# Altium PCB Grandmaster.PcbDoc (part 1 of 3) (continued)
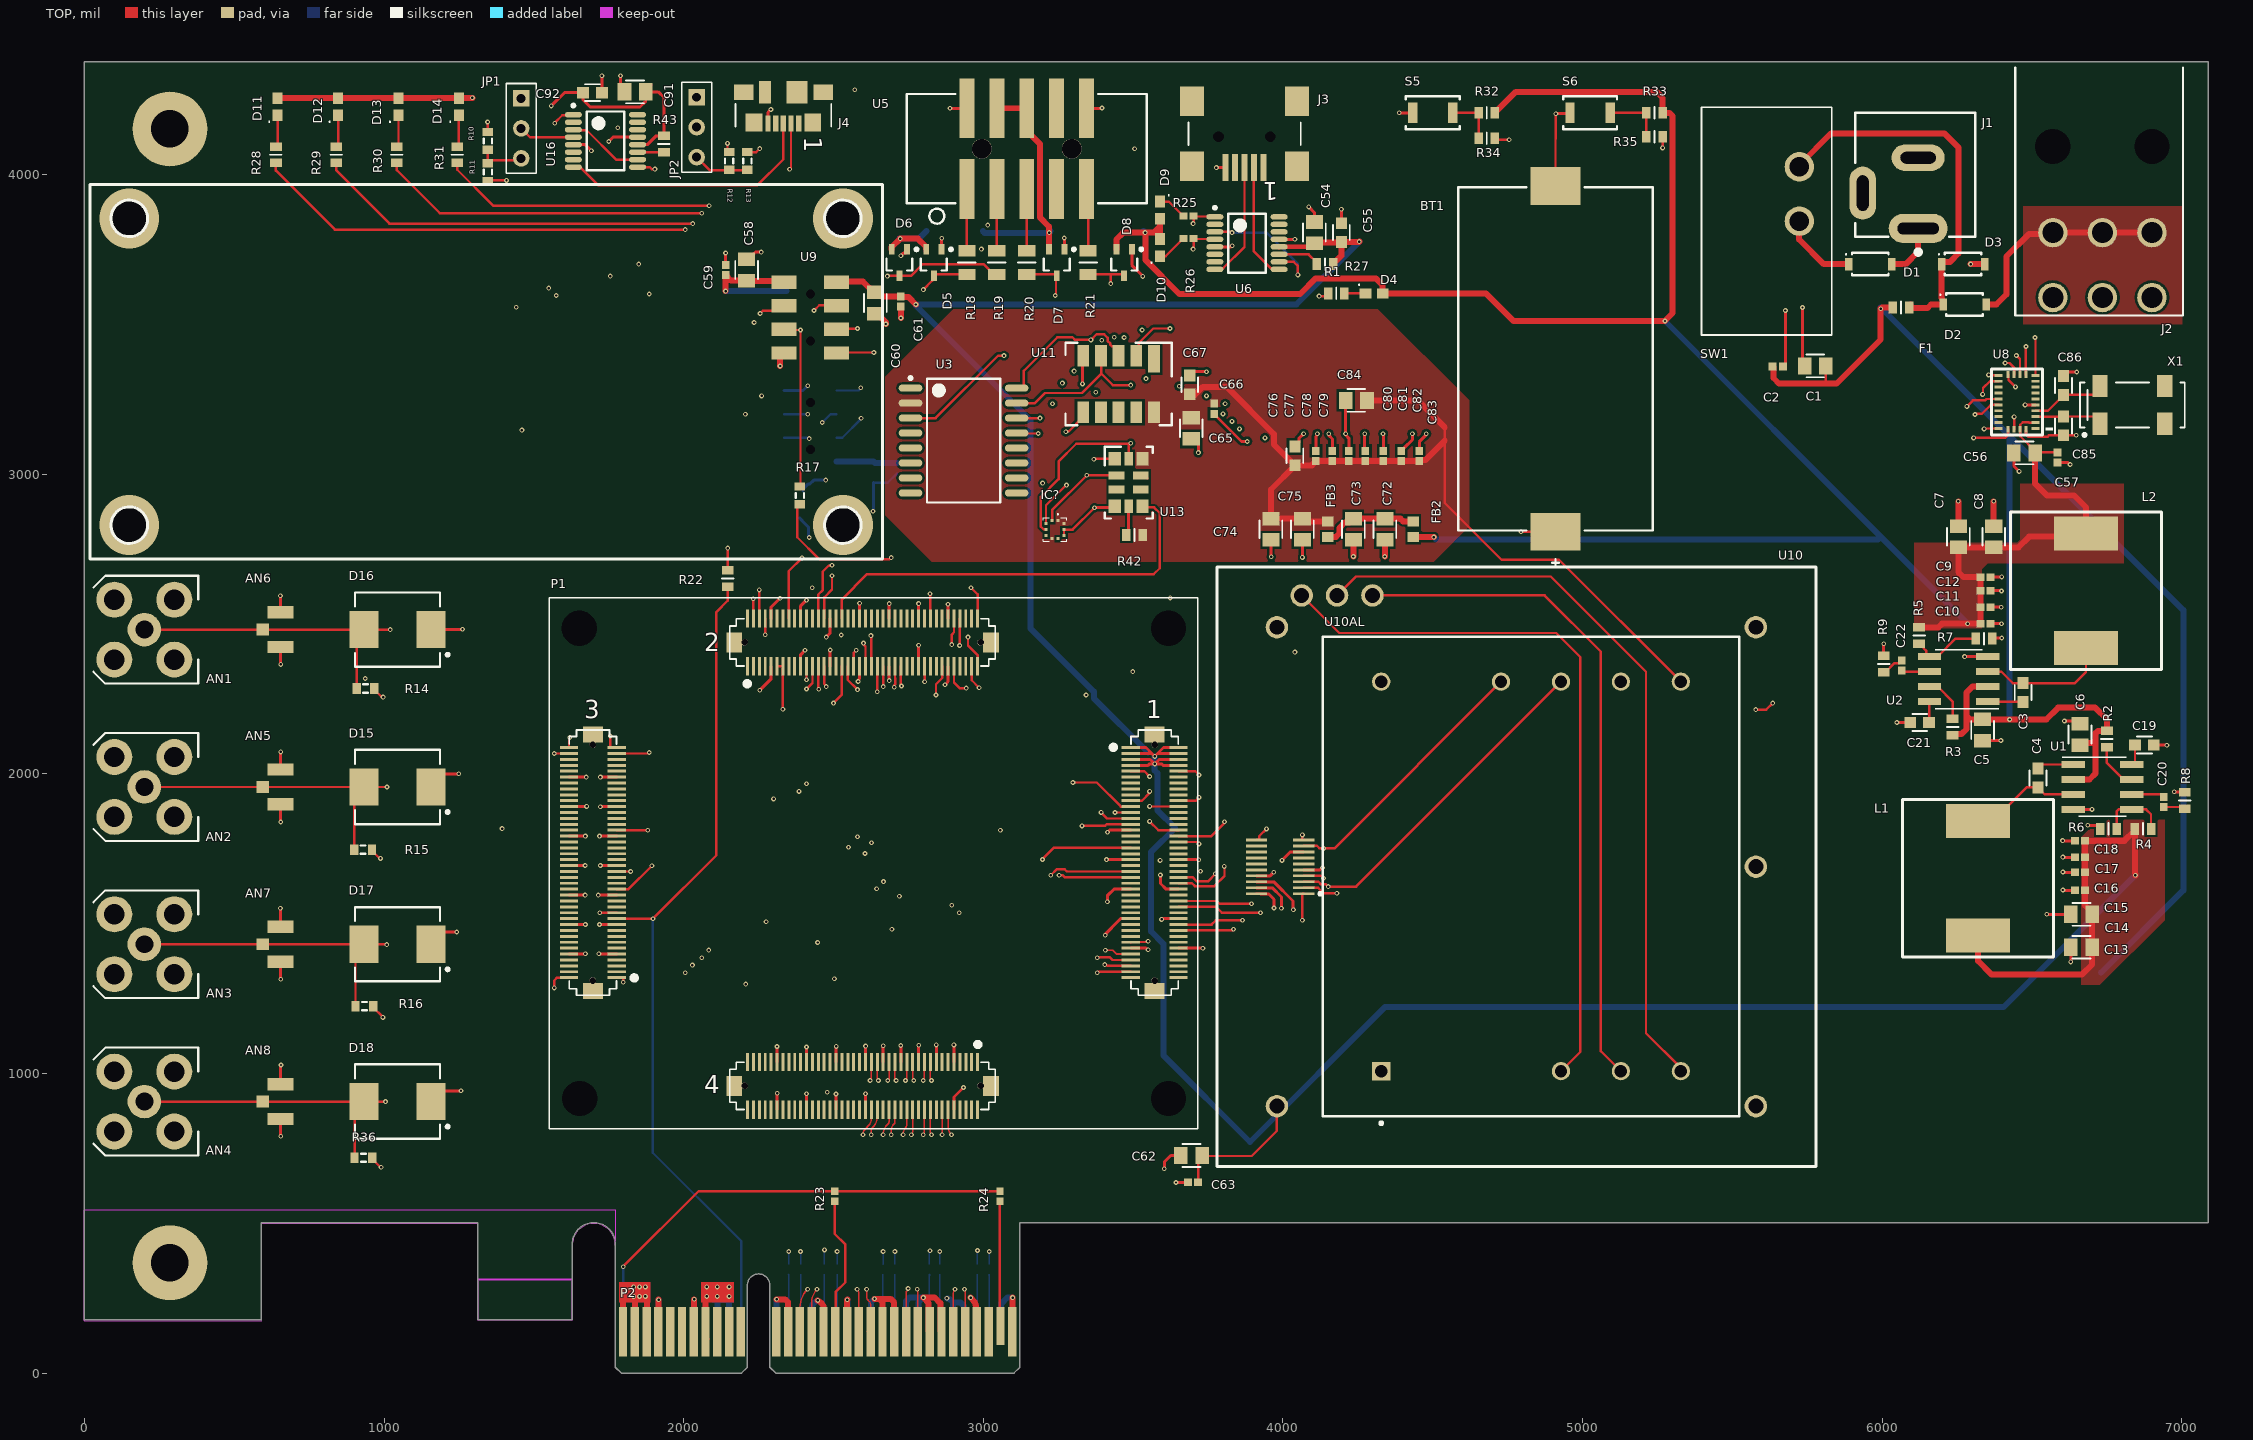
[diagram p0: TOP view]
## Components (designator, comment, footprint, x,y, rotation, side; value= is the part's Value field where it differs from the comment) (continued)
X1 "MC306" SM8 6834.84,3231.06 r0 top value=32.768kHz

## Footprints (in the part's own frame and the unit in brackets; to place one, negate y for a bottom-side part, rotate by r counter-clockwise, add the part's x,y. Pads: shape width x height; smd on the part's side, far side on the other; paste and mask are expansions set on the pad)
3PINV-100 [mil] "3Pin solder for flex cable"
  rect 55x55 hole 30: 1(0,0)
  round 55 hole 30: 2(100,0) 3(200,0)
  silkscreen extent -50,-50 250,50
39-30-1060 [mm] "HDR 2X3 MINI-FIT JR R/A 4.2MM"
  round 1.27 hole 3 unplated: 0(-8.4,-12.8) 0(0,-12.8)
  round 2.5 hole 1.8: 1(0,-5.5) 2(-4.2,-5.5) 3(-8.4,-5.5) 4(0,0) 5(-4.2,0) 6(-8.4,0)
  silkscreen extent -11.03,-19.49 3.18,1.52, body extent -11.03,-19.49 3.18,0.44, height 11.4
ALINX_FPGA [mm] "PCIE_4LANE_EDGE"
  rect 0x0 hole 3: 1(-24.295,19.983) 1(-24.269,-19.895) 1(25.642,-19.895) 1(25.642,19.983)
  rect 1.55x0.25 smd: 1-1(22.443,9.85) 1-2(26.493,9.85) 1-3(22.443,9.35) 1-4(26.493,9.35) 1-5(22.443,8.85) 1-6(26.493,8.85) 1-7(22.443,8.35) 1-8(26.493,8.35) 1-9(22.443,7.85) 1-10(26.493,7.85) 1-11(22.443,7.35) 1-12(26.493,7.35) 1-13(22.443,6.85) 1-14(26.493,6.85) 1-15(22.443,6.35) 1-16(26.493,6.35) 1-17(22.443,5.85) 1-18(26.493,5.85) 1-19(22.443,5.35) 1-20(26.493,5.35) 1-21(22.443,4.85) 1-22(26.493,4.85) 1-23(22.443,4.35) 1-24(26.493,4.35) 1-25(22.443,3.85) 1-26(26.493,3.85) 1-27(22.443,3.35) 1-28(26.493,3.35) 1-29(22.443,2.85) 1-30(26.493,2.85) 1-31(22.443,2.35) 1-32(26.493,2.35) 1-33(22.443,1.85) 1-34(26.493,1.85) 1-35(22.443,1.35) 1-36(26.493,1.35) 1-37(22.443,0.85) 1-38(26.493,0.85) 1-39(22.443,0.35) 1-40(26.493,0.35) 1-41(22.443,-0.15) 1-42(26.493,-0.15) 1-43(22.443,-0.65) 1-44(26.493,-0.65) 1-45(22.443,-1.15) 1-46(26.493,-1.15) 1-47(22.443,-1.65) 1-48(26.493,-1.65) 1-49(22.443,-2.15) 1-50(26.493,-2.15) 1-51(22.443,-2.65) 1-52(26.493,-2.65) 1-53(22.443,-3.15) 1-54(26.493,-3.15) 1-55(22.443,-3.65) 1-56(26.493,-3.65) 1-57(22.443,-4.15) 1-58(26.493,-4.15) 1-59(22.443,-4.65) 1-60(26.493,-4.65) 1-61(22.443,-5.15) 1-62(26.493,-5.15) 1-63(22.443,-5.65) 1-64(26.493,-5.65) 1-65(22.443,-6.15) 1-66(26.493,-6.15) 1-67(22.443,-6.65) 1-68(26.493,-6.65) 1-69(22.443,-7.15) 1-70(26.493,-7.15) 1-71(22.443,-7.65) 1-72(26.493,-7.65) 1-73(22.443,-8.15) 1-74(26.493,-8.15) 1-75(22.443,-8.65) 1-76(26.493,-8.65) 1-77(22.443,-9.15) 1-78(26.493,-9.15) 1-79(22.443,-9.65) 1-80(26.493,-9.65) 3-1(-21.13,-9.649) 3-2(-25.18,-9.649) 3-3(-21.13,-9.149) 3-4(-25.18,-9.149) 3-5(-21.13,-8.649) 3-6(-25.18,-8.649) 3-7(-21.13,-8.149) 3-8(-25.18,-8.149) 3-9(-21.13,-7.649) 3-10(-25.18,-7.649) 3-11(-21.13,-7.149) 3-12(-25.18,-7.149) 3-13(-21.13,-6.649) 3-14(-25.18,-6.649) 3-15(-21.13,-6.149) 3-16(-25.18,-6.149) 3-17(-21.13,-5.649) 3-18(-25.18,-5.649) 3-19(-21.13,-5.149) 3-20(-25.18,-5.149) 3-21(-21.13,-4.649) 3-22(-25.18,-4.649) 3-23(-21.13,-4.149) 3-24(-25.18,-4.149) 3-25(-21.13,-3.649) 3-26(-25.18,-3.649) 3-27(-21.13,-3.149) 3-28(-25.18,-3.149) 3-29(-21.13,-2.649) 3-30(-25.18,-2.649) 3-31(-21.13,-2.149) 3-32(-25.18,-2.149) 3-33(-21.13,-1.649) 3-34(-25.18,-1.649) 3-35(-21.13,-1.149) 3-36(-25.18,-1.149) 3-37(-21.13,-0.649) 3-38(-25.18,-0.649) 3-39(-21.13,-0.149) 3-40(-25.18,-0.149) 3-41(-21.13,0.351) 3-42(-25.18,0.351) 3-43(-21.13,0.851) 3-44(-25.18,0.851) 3-45(-21.13,1.351) 3-46(-25.18,1.351) 3-47(-21.13,1.851) 3-48(-25.18,1.851) 3-49(-21.13,2.351) 3-50(-25.18,2.351) 3-51(-21.13,2.851) 3-52(-25.18,2.851) 3-53(-21.13,3.351) 3-54(-25.18,3.351) 3-55(-21.13,3.851) 3-56(-25.18,3.851) 3-57(-21.13,4.351) 3-58(-25.18,4.351) 3-59(-21.13,4.851) 3-60(-25.18,4.851) 3-61(-21.13,5.351) 3-62(-25.18,5.351) 3-63(-21.13,5.851) 3-64(-25.18,5.851) 3-65(-21.13,6.351) 3-66(-25.18,6.351) 3-67(-21.13,6.851) 3-68(-25.18,6.851) 3-69(-21.13,7.351) 3-70(-25.18,7.351) 3-71(-21.13,7.851) 3-72(-25.18,7.851) 3-73(-21.13,8.351) 3-74(-25.18,8.351) 3-75(-21.13,8.851) 3-76(-25.18,8.851) 3-77(-21.13,9.351) 3-78(-25.18,9.351) 3-79(-21.13,9.851) 3-80(-25.18,9.851)
  rect 0.25x1.55 smd: 2-1(-10.045,16.745) 2-2(-10.045,20.795) 2-3(-9.545,16.745) 2-4(-9.545,20.795) 2-5(-9.045,16.745) 2-6(-9.045,20.795) 2-7(-8.545,16.745) 2-8(-8.545,20.795) 2-9(-8.045,16.745) 2-10(-8.045,20.795) 2-11(-7.545,16.745) 2-12(-7.545,20.795) 2-13(-7.045,16.745) 2-14(-7.045,20.795) 2-15(-6.545,16.745) 2-16(-6.545,20.795) 2-17(-6.045,16.745) 2-18(-6.045,20.795) 2-19(-5.545,16.745) 2-20(-5.545,20.795) 2-21(-5.045,16.745) 2-22(-5.045,20.795) 2-23(-4.545,16.745) 2-24(-4.545,20.795) 2-25(-4.045,16.745) 2-26(-4.045,20.795) 2-27(-3.545,16.745) 2-28(-3.545,20.795) 2-29(-3.045,16.745) 2-30(-3.045,20.795) 2-31(-2.545,16.745) 2-32(-2.545,20.795) 2-33(-2.045,16.745) 2-34(-2.045,20.795) 2-35(-1.545,16.745) 2-36(-1.545,20.795) 2-37(-1.045,16.745) 2-38(-1.045,20.795) 2-39(-0.545,16.745) 2-40(-0.545,20.795) 2-41(-0.045,16.745) 2-42(-0.045,20.795) 2-43(0.455,16.745) 2-44(0.455,20.795) 2-45(0.955,16.745) 2-46(0.955,20.795) 2-47(1.455,16.745) 2-48(1.455,20.795) 2-49(1.955,16.745) 2-50(1.955,20.795) 2-51(2.455,16.745) 2-52(2.455,20.795) 2-53(2.955,16.745) 2-54(2.955,20.795) 2-55(3.455,16.745) 2-56(3.455,20.795) 2-57(3.955,16.745) 2-58(3.955,20.795) 2-59(4.455,16.745) 2-60(4.455,20.795) 2-61(4.955,16.745) 2-62(4.955,20.795) 2-63(5.455,16.745) 2-64(5.455,20.795) 2-65(5.955,16.745) 2-66(5.955,20.795) 2-67(6.455,16.745) 2-68(6.455,20.795) 2-69(6.955,16.745) 2-70(6.955,20.795) 2-71(7.455,16.745) 2-72(7.455,20.795) 2-73(7.955,16.745) 2-74(7.955,20.795) 2-75(8.455,16.745) 2-76(8.455,20.795) 2-77(8.955,16.745) 2-78(8.955,20.795) 2-79(9.455,16.745) 2-80(9.455,20.795) 4-1(9.456,-16.795) 4-2(9.456,-20.845) 4-3(8.956,-16.795) 4-4(8.956,-20.845) 4-5(8.456,-16.795) 4-6(8.456,-20.845) 4-7(7.956,-16.795) 4-8(7.956,-20.845) 4-9(7.456,-16.795) 4-10(7.456,-20.845) 4-11(6.956,-16.795) 4-12(6.956,-20.845) 4-13(6.456,-16.795) 4-14(6.456,-20.845) 4-15(5.956,-16.795) 4-16(5.956,-20.845) 4-17(5.456,-16.795) 4-18(5.456,-20.845) 4-19(4.956,-16.795) 4-20(4.956,-20.845) 4-21(4.456,-16.795) 4-22(4.456,-20.845) 4-23(3.956,-16.795) 4-24(3.956,-20.845) 4-25(3.456,-16.795) 4-26(3.456,-20.845) 4-27(2.956,-16.795) 4-28(2.956,-20.845) 4-29(2.456,-16.795) 4-30(2.456,-20.845) 4-31(1.956,-16.795) 4-32(1.956,-20.845) 4-33(1.456,-16.795) 4-34(1.456,-20.845) 4-35(0.956,-16.795) 4-36(0.956,-20.845) 4-37(0.456,-16.795) 4-38(0.456,-20.845) 4-39(-0.044,-16.795) 4-40(-0.044,-20.845) 4-41(-0.544,-16.795) 4-42(-0.544,-20.845) 4-43(-1.044,-16.795) 4-44(-1.044,-20.845) 4-45(-1.544,-16.795) 4-46(-1.544,-20.845) 4-47(-2.044,-16.795) 4-48(-2.044,-20.845) 4-49(-2.544,-16.795) 4-50(-2.544,-20.845) 4-51(-3.044,-16.795) 4-52(-3.044,-20.845) 4-53(-3.544,-16.795) 4-54(-3.544,-20.845) 4-55(-4.044,-16.795) 4-56(-4.044,-20.845) 4-57(-4.544,-16.795) 4-58(-4.544,-20.845) 4-59(-5.044,-16.795) 4-60(-5.044,-20.845) 4-61(-5.544,-16.795) 4-62(-5.544,-20.845) 4-63(-6.044,-16.795) 4-64(-6.044,-20.845) 4-65(-6.544,-16.795) 4-66(-6.544,-20.845) 4-67(-7.044,-16.795) 4-68(-7.044,-20.845) 4-69(-7.544,-16.795) 4-70(-7.544,-20.845) 4-71(-8.044,-16.795) 4-72(-8.044,-20.845) 4-73(-8.544,-16.795) 4-74(-8.544,-20.845) 4-75(-9.044,-16.795) 4-76(-9.044,-20.845) 4-77(-9.544,-16.795) 4-78(-9.544,-20.845) 4-79(-10.044,-16.795) 4-80(-10.044,-20.845)
  rect 1.7x1.35 smd: 81(-23.155,-10.774) 81(24.468,10.975) 84(-23.155,10.976) 84(24.468,-10.775)
  rect 1.35x1.7 smd: 81(-11.17,18.77) 81(10.581,-18.82) 84(-11.169,-18.82) 84(10.58,18.77)
  round 0.55 hole 0.55: 82(-23.155,-9.899) 82(-10.295,18.77) 82(9.706,-18.82) 82(24.468,10.1) 83(-23.155,10.101) 83(-10.294,-18.82) 83(9.705,18.77) 83(24.468,-9.9)
  TOP lines w0.152: -21.13,7.851 -21.123,7.845 ; -21.13,8.351 -21.128,8.353 ; 22.431,-7.662 22.443,-7.65
  silkscreen extent -26.86,-22.45 28.14,22.55
AMPHENOL-901-143-6RFX [mil] "CONN JACK SMA R/A TH"
  round 112 hole 60: 1(0,0)
  round 120 hole 68: 2(-100,-100) 3(-100,100) 4(100,100) 5(100,-100)
  silkscreen extent -180,-180 170,180, body extent -138,-138 356,138, height 388
BMP388 [mm]
  rect 0.25x0.275 smd: 1(0.25,0.763) 2(-0.25,0.763) 6(-0.25,-0.763) 7(0.25,-0.763)
  rect 0.275x0.25 smd: 3(-0.762,0.5) 4(-0.762,0) 5(-0.762,-0.5) 8(0.762,-0.5) 9(0.762,0) 10(0.762,0.5)
  silkscreen extent -1,-1 1,1.35
CAPC1005X06N [mm] "Chip Capacitor, 0402, 2-Leads, Body 1.00x0.50mm, IPC Medium Density"
  rect 0.68x0.64 smd: 1(-0.43,0) 2(0.43,0)
  body extent -0.55,-0.3 0.55,0.3, height 0.6
CAPC1608X10N [mm] "Chip Capacitor, 0603, 2-Leads, Body 1.60x0.80mm, IPC Medium Density"
  rect 1x0.95 smd: 1(-0.8,0) 2(0.8,0)
  silkscreen extent -0.64,-0.71 0.64,0.71, body extent -0.88,-0.48 0.87,0.48, height 1
CAPC2012X14N [mm] "Chip Capacitor, 0805, 2-Leads, Body 2.00x1.25mm, IPC Medium Density"
  rect 1.15x1.45 smd: 1(-0.9,0) 2(0.9,0)
  silkscreen extent -0.76,-0.97 0.76,0.97, body extent -1.1,-0.72 1.1,0.72, height 1.4
CUI_PJ-002A [mm]
  oval 2.5x5 hole 1 slot 3.5 at 90 deg: 1(0,0)
  oval 2.25x4.5 hole 1 slot 3 at 90 deg: 2(6,0)
  oval 4.5x2.25 hole 1 slot 3 at 0 deg: 3(3,4.7)
  silkscreen extent -2.2,-4.83 9.8,5.33, body extent -0.74,-4.47 13.66,4.93, height 11.06
DIOM1608X06N [mm] "Molded Diode, 0603, 2-Leads, Body 1.60x0.80mm, IPC Medium Density"
  rect 1x0.85 smd: 1(-0.725,0) 2(0.725,0)
  silkscreen extent -1.32,0.68 -1.22,0.77, body extent -0.8,-0.4 0.8,0.4, height 0.6
DIOM6959X26N [mm] "Molded Diode, SMC, 2-Leads, Body 6.85x5.90mm, IPC Medium Density"
  rect 2.45x3.15 smd: A(2.85,0) K(-2.85,0)
  silkscreen extent -4.38,-3.15 3.6,3.15, body extent -4.06,-3.15 4.06,3.15, height 2.63
FP-BU2032SM-BT-GTR-MFG [mm]
  rect 3.2x4.2 smd paste+0 mask+0: 1(14.65,0) 2(-14.65,0)
  silkscreen extent -17.6,-8.25 14.55,8.25, body extent -16.35,-8.35 16.35,8.35, height 0.25
FUSM1608X60N [mm] "Chip Fuse, 0603, 2-Leads, Body 1.60x0.81mm, IPC Medium Density"
  rect 0.72x1 smd: 1(-0.69,0) 2(0.69,0)
  silkscreen extent 0,-0.5 0,0.5, body extent -0.81,-0.41 0.81,0.41, height 0.61
IND_PM124SH [mm]
  rect 2.9x5.4 smd: 1(-4.85,0) 2(4.85,0)
  silkscreen extent -6.68,-6.4 6.68,6.4, body extent -6.81,-6.53 6.81,6.53, height 4.5
INDC1608X09N [mm] "Chip Inductor, 2-Leads, Body 1.60x0.80mm, IPC Medium Density"
  rect 0.87x0.98 smd: 1(-0.665,0) 2(0.665,0)
  body extent -0.88,-0.47 0.88,0.47, height 0.94
J1-0603 [mm] "Chip Resistor, Body 1.6x0.8mm, IPC High Density"
  rect 0.7x0.9 smd: 1(-0.75,0) 2(0.75,0)
  silkscreen extent -0.2,-0.35 0.2,0.35, body extent -0.85,-0.48 0.85,0.48, height 0.9
L101011MS02Q [mm] "SPST, TH, 6 PINS"
  round 2.5 hole 1.65: 1(-2.85,-4.6) 2(-2.85,0)
  silkscreen extent -5.59,-9.65 5.45,9.65, body extent -5.45,-9.56 5.45,9.56, height 14.16
LGA-28 [mm]
  rect 0.25x0.675 smd: 1(2.25,1.562) 6(2.25,-1.562) 7(1.75,-1.562) 8(1.25,-1.562) 9(0.75,-1.562) 10(0.25,-1.562) 11(-0.25,-1.562) 12(-0.75,-1.562) 13(-1.25,-1.562) 14(-1.75,-1.562) 15(-2.25,-1.562) 20(-2.25,1.562) 21(-1.75,1.562) 22(-1.25,1.562) 23(-0.75,1.562) 24(-0.25,1.562) 25(0.25,1.562) 26(0.75,1.562) 27(1.25,1.562) 28(1.75,1.562)
  rect 0.575x0.25 smd: 2(2.312,0.75) 3(2.312,0.254) 4(2.312,-0.25) 5(2.312,-0.75) 16(-2.312,-0.75) 17(-2.312,-0.25) 18(-2.312,0.25) 19(-2.312,0.75)
  silkscreen extent -2.79,-2.16 2.79,3.05
MAC-SA5X [mm]
  rect 0.25x1.8 smd: 1(27.691,7.365) 2(27.691,3.365) 3(27.183,7.365) 4(27.183,3.365) 5(26.675,7.365) 6(26.675,3.365) 7(26.167,7.365) 8(26.167,3.365) 9(25.659,7.365) 10(25.659,3.365) 11(25.151,7.365) 12(25.151,3.365) 13(24.643,7.365) 14(24.643,3.365) 15(24.135,7.365) 16(24.135,3.365) 17(23.627,7.365) 18(23.627,3.365) 19(23.119,7.365) 20(23.119,3.365)
  round 1.905 hole 1.27: P1(45.7,45.7) P2(25.4,45.7) P3(5.1,45.7) P4(5.1,5.1) P5(45.7,5.1) P6(2.4,7.2) P7(2.4,10.2) P8(2.4,13.2)
  silkscreen extent 0,0 50.8,50.8, body extent 21,2.7 29.8,8.1, height 2.28
MCSM-090-02984-00X [mm] "THD, 9-Leads, Body 40.64x35.306mm"
  rect 1.55x1.55 hole 1.05: 1(-16.51,12.7)
  round 1.55 hole 1.05: 4(-16.51,-2.54) 5(-16.51,-7.62) 6(-16.51,-12.7) 7(16.51,-12.7) 8(16.51,-7.62) 9(16.51,-2.54) 10(16.51,2.54) 12(16.51,12.7)
  silkscreen extent -21.04,-17.65 20.32,17.65, body extent -20.32,-17.65 20.32,17.65, height 11.43
OMRON-B3U-1000P [mm] "SW, SPST-NO TACT 2.5X3MM"
  rect 0.8x1.7 smd: 1(-1.7,0) 2(1.7,0)
  silkscreen extent -2.29,-1.4 2.29,1.4, body extent -2,-1.25 2,1.25, height 1.6
PCIE_4LANE_EDGE [mil] "PCIE_4LANE_EDGE"
  rect 28x126 smd far side: A1(-649.6,-87.74)
  rect 28x165 smd far side: A2(-610.23,-107.24) A3(-570.86,-107.24) A4(-531.49,-107.24) A5(-492.12,-107.24) A6(-452.75,-107.24) A7(-413.38,-107.24) A8(-374.01,-107.24) A9(-334.64,-107.24) A10(-295.27,-107.24) A11(-255.9,-107.24) A12(-137.79,-107.24) A13(-98.42,-107.24) A14(-59.05,-107.24) A15(-19.68,-107.24) A16(19.69,-107.24) A17(59.06,-107.24) A18(98.43,-107.24) A19(137.8,-107.24) A20(177.17,-107.24) A21(216.54,-107.24) A22(255.91,-107.24) A23(295.28,-107.24) A24(334.65,-107.24) A25(374.02,-107.24) A26(413.39,-107.24) A27(452.76,-107.24) A28(492.13,-107.24) A29(531.5,-107.24) A30(570.87,-107.24) A31(610.24,-107.24) A32(649.61,-107.24)
  rect 28x165 smd: B1(-649.6,-107.24) B2(-610.23,-107.24) B3(-570.86,-107.24) B4(-531.49,-107.24) B5(-492.12,-107.24) B6(-452.75,-107.24) B7(-413.38,-107.24) B8(-374.01,-107.24) B9(-334.64,-107.24) B10(-295.27,-107.24) B11(-255.9,-107.24) B12(-137.79,-107.24) B13(-98.42,-107.24) B14(-59.05,-107.24) B15(-19.68,-107.24) B16(19.69,-107.24) B17(59.06,-107.24) B18(98.43,-107.24) B19(137.8,-107.24) B20(177.17,-107.24) B21(216.54,-107.24) B22(255.91,-107.24) B23(295.28,-107.24) B24(334.65,-107.24) B25(374.02,-107.24) B26(413.39,-107.24) B27(452.76,-107.24) B28(492.13,-107.24) B29(531.5,-107.24) B30(570.87,-107.24) B32(649.61,-107.24)
  rect 28x126 smd: B31(610.24,-87.74)
RCB-F9T [mm]
  round 0 hole 0.76: 0(18.47,6.11) 0(22.47,6.11)
  rect 1.12x2.105 smd: 1(23.47,3.888) 2(23.47,8.333) 3(21.47,3.888) 4(21.47,8.333) 5(19.47,3.888) 6(19.47,8.333) 7(17.47,3.888) 8(17.47,8.333)
  silkscreen extent 0,0 31.75,67.18, body extent 16.32,3.33 24.32,8.89, height 4.32
RESC1005X04N [mm] "Chip Resistor, 0402, 2-Leads, Body 1.00x0.50mm, IPC Medium Density"
  rect 0.65x0.6 smd: 1(-0.425,0) 2(0.425,0)
  body extent -0.55,-0.3 0.55,0.3, height 0.4
RESC1608X50N [mm] "Chip Resistor, 0603, 2-Leads, Body 1.57x0.85mm, IPC Medium Density"
  rect 0.72x1 smd: 1(-0.69,0) 2(0.69,0)
  silkscreen extent 0,-0.5 0,0.5, body extent -0.83,-0.48 0.82,0.48, height 0.5
RESC2012X50N [mm] "Chip Resistor, 0805, 2-Leads, Body 2.05x1.25mm, IPC Medium Density"
  rect 0.95x1.45 smd: 1(-1,0) 2(1,0)
  silkscreen extent 0,-0.76 0,0.76, body extent -1.1,-0.7 1.1,0.7, height 0.5
SAMTEC_HTST-105-01-L-DV-A [mm] "SOP, 16-Leads, Body 4.90x3.90mm, Pitch 0.64mm, IPC Medium Density"
  rect 1.27x5.08 smd: 1(-5.08,-3.43) 2(-5.08,3.43) 3(-2.54,-3.43) 4(-2.54,3.43) 5(0,-3.43) 6(0,3.43) 7(2.54,-3.43) 8(2.54,3.43) 9(5.08,-3.43) 10(5.08,3.43)
  round 1.676 hole 1.676 unplated: ""(-3.81,0) ""(3.81,0)
  silkscreen extent -10.16,-6.35 10.16,4.64, body extent -10.16,-5.59 10.16,5.59, height 10.16
SiT5155 [mm]
  rect 1.05x1.15 smd: 1(-1.175,2.025) 4(-1.175,-2.025) 6(1.175,-2.025) 9(1.175,2.025)
  rect 1.35x0.7 smd: 2(-1.025,0.6) 3(-1.025,-0.6) 7(1.025,-0.6) 8(1.025,0.6)
  rect 0.7x1.15 smd: 5(0,-2.025) 10(0,2.025)
  silkscreen extent -2.03,-3.05 2.03,3.05
SIT5721 [mm] "QFN, 32-LEADS, BODY 5.2 X 5.2 MM (MAX), PITCH 0.5MM"
  rect 2.3x1 smd: 1(-2.15,3)
  rect 1.8x1 smd: 2(-2.4,1.5) 3(-2.4,0) 4(-2.4,-1.5) 5(-2.4,-3) 6(2.4,-3) 7(2.4,-1.5) 8(2.4,0) 9(2.4,1.5) 10(2.4,3)
  silkscreen extent -3.5,-4.5 3.5,4.5
SM8 [mm]
  rect 1.3x1.9 smd: 1(-2.75,-1.6) 2(2.75,-1.6) 3(2.75,1.6) 4(-2.75,1.6)
  silkscreen extent -4.44,-2.67 4.44,1.91, body extent -3.81,-1.91 3.81,1.91, height 2.54
SODFL370X135-2N [mm] "SODFL, SOD-123FL, 2-Leads, Body 1.65x3.70mm, IPC Medium Density"
  rect 0.65x1.05 smd: 1(-1.825,0) 2(1.825,0)
  silkscreen extent -2.1,-0.95 1.55,0.95, body extent -1.93,-1.08 1.92,1.08, height 1.35
SOIC127P600X175-8N [mm] "SOIC, 8-Leads, Body 6.00x4.90mm, Pitch 1.27mm, IPC Medium Density"
  rect 1.97x0.57 smd: 1(-2.475,1.905) 2(-2.475,0.635) 3(-2.475,-0.635) 4(-2.475,-1.905) 5(2.475,-1.905) 6(2.475,-0.635) 7(2.475,0.635) 8(2.475,1.905)
  silkscreen extent -3.4,-2.5 2,2.5, body extent -3,-2.45 3,2.45, height 1.75
SOP64P600X170-16N [mm] "SOP, 16-Leads, Body 4.90x3.90mm, Pitch 0.64mm, IPC Medium Density"
  oval 1.45x0.45 smd: 1(-2.725,2.222) 2(-2.725,1.587) 3(-2.725,0.953) 4(-2.725,0.318) 5(-2.725,-0.318) 6(-2.725,-0.953) 7(-2.725,-1.587) 8(-2.725,-2.222) 9(2.725,-2.222) 10(2.725,-1.587) 11(2.725,-0.953) 12(2.725,-0.318) 13(2.725,0.318) 14(2.725,0.953) 15(2.725,1.587) 16(2.725,2.222)
  silkscreen extent -2.85,-2.5 1.6,3.12, body extent -3.1,-2.5 3.1,2.5, height 1.76
SOT65P210X110-3N [mm] "SOT323-3 (SC70), 3-Leads, Body 2.00x2.10mm, Pitch 0.65mm, IPC Medium Density"
  rect 0.9x0.5 smd: 1(-1.125,0.65) 2(-1.125,-0.65) 3(1.125,0)
  silkscreen extent -1.25,-1.1 0.67,1.58, body extent -1.25,-1.1 1,1.1, height 1.08
"U.FL UMCC JACK" [mm] "U.FL UMCC JACK 50OHM"
  rect 1x1.05 smd: 1(0,-1.525)
  rect 1.05x2.2 smd: 2(-1.475,0) 3(1.475,0)
  body extent -1.5,-1.55 1.5,1.55, height 1.24
USB_47346-1001 [mm] "USB-MICRO B FLANGELESS BOTTOM MNT"
  rect 1.65x1.3 smd: 0(-2.075,-2.66) 0(4.675,-2.66)
  rect 1.42x1.55 smd: 0(-1.2,-0.085) 0(3.8,-0.085)
  rect 1.8x1.9 smd: 0(0.15,-2.66)
  rect 1x1.9 smd: 0(2.85,-2.66)
  rect 0.45x1.38 smd: 1(0,0) 2(0.65,0) 3(1.3,0) 4(1.95,0) 5(2.6,0)
  silkscreen extent -2.76,-1.65 5.36,0.25, body extent -2.6,-4.75 5.2,0.25, height 2.68
USB_1734035 [mm] "USB-MINI B W/BRD GUIDE"
  rect 2x2.5 smd: 0(-2.85,-0.1) 0(-2.85,-5.6) 0(6.05,-0.1) 0(6.05,-5.6)
  round 0.8 hole 0.9 unplated: 0(-0.6,-2.6) 0(3.8,-2.6)
  rect 0.5x2.3 smd: 1(0,0) 2(0.8,0) 3(1.6,0) 4(2.4,0) 5(3.2,0)
  silkscreen extent -3.17,-3.81 6.35,-1.9, body extent -3.33,-8.5 6.57,0.7, height 4.14
W16-H2_L [mm] "SOIC, 16-Leads, Body 10.3x7.5mm, Pitch 1.27mm, IPC High Density"
  oval 2x0.6 smd: 1(-4.5,4.445) 2(-4.5,3.175) 3(-4.5,1.905) 4(-4.5,0.635) 5(-4.5,-0.635) 6(-4.5,-1.905) 7(-4.5,-3.175) 8(-4.5,-4.445) 9(4.5,-4.445) 10(4.5,-3.175) 11(4.5,-1.905) 12(4.5,-0.635) 13(4.5,0.635) 14(4.5,1.905) 15(4.5,3.175) 16(4.5,4.445)
  silkscreen extent -4.62,-5.25 3.1,5.42, body extent -3.8,-5.25 3.8,5.25, height 2.65

## Part data
AN1 AN2 AN3 AN4: "CONN, JACK, SMA, FEMALE, 50 OHM, R/A, GOLD, TH", MAXTEMP=165C, MFG PART NUM=901-143-6RFX, MINTEMP=-65C, Supplier Part Number 1=ARFX1232-ND, VALENTIUM PART NUM=<VALENTIUM>, CATEGORY="CONN, JACK", DESC="CONN, JACK, SMA, FEMALE, 50 OHM, R/A, GOLD, TH", MFG Name=AMPHENOL, MODIFY DATE=10/10/2013, OTHER=GOLD, P1=FEMALE, P2="50 OHM", P3=R/A, SIZE="9.86MM HT", Supplier 1=Digi-Key
AN5 AN6 AN7 AN8: library part UMCC, "CONN, JACK, UMCC, MALE, 50 OHM, U.FL, GOLD, SMT", MAXTEMP=90C, MINTEMP=-40C, Supplier Part Number 1=A118077CT-ND, VALENTIUM PART NUM=<VALENTIUM>, CATEGORY="CONN, JACK", DESC="CONN, JACK, UMCC, MALE, 50 OHM, U.FL, GOLD, SMT", MFG Name=TE, MFG PART NUM=1909763-1, MODIFY DATE=10/10/2013, OTHER=GOLD, P1=MALE, P2="50 OHM", P3=ST, SIZE="1.25MM HT", Supplier 1=Digi-Key
BT1: library part CMP-136216-000002-1, "BATTERY HOLDER COIN 20MM SMD", Case/Package=SMD/SMT, Max Operating Temperature=280°C, Min Operating Temperature=-40°C, Package Quantity=400, Mount="Surface Mount", Number of Cells=1, Termination=SMD/SMT
C1 C5 C6 C7 C8 C13 C14 C56 C58 C60 C62 C87 C89: "CAP, CER, 10.UF, 25V, 10%, X5R, 0805", MAXTEMP=85C, MFG PART NUM=TMK212BBJ106KG-T, MINTEMP=-55C, Supplier Part Number 1=963-TMK212BBJ106KG-T, VALENTIUM PART NUM=<VALENTIUM>, CATEGORY="CAP, CER", DATE="4/11/2006 3:37:28 PM", DESC="CAP, CER, 10.UF, 10V, 10%, X5R, 0805", MFG Name="TAIYO YUDEN", MODIFY DATE=10/23/2013, P1=10%, P2=25V, P3=X5R, SIZE=0805, Supplier 1=MOUSER
C2 C9 C10 C11 C12 C15 C16 C17 C18 C44 C45 C46 C47 C48 C49 C50 C51 C52 C53 C57 C59 C61 C63 C66 C77 C78 C79 C80 C81 C82 C83 C88 C90: "CAP, CER, 0.1UF, 50V, 10%, X7R, AEC-Q200, 0402", MAXTEMP=125C, MFG PART NUM=CGA2B3X7R1H104K050BB, MINTEMP=-55C, Supplier Part Number 1=445-6899-1-ND, VALENTIUM PART NUM=<VALENTIUM>, CATEGORY="CAP, CER", DESC="CAP, CER, 0.1UF, 50V, 10%, X7R, AEC-Q200, 0402", MFG Name=TDK, MODIFY DATE=10/23/2013, OTHER=AEC-Q200, P1=10%, P2=50V, P3=X7R, SIZE=0402, Supplier 1=Digi-Key
C3 C4 C67 C76: "CAP, CER, 0.01UF, 50V, 10%, X7R, 0603", MAXTEMP=125C, MFG PART NUM=C0603C103K5RACTU, MINTEMP=-55C, Supplier Part Number 1=399-1091-1-ND, VALENTIUM PART NUM=<VALENTIUM>, CATEGORY="CAP, CER", DATE=7/24/2013, DESC="CAP, CER, 0.01UF, 50V, 10%, X7R, 0603", MFG Name=KEMET, MODIFY DATE=10/23/2013, P1=10%, P2=50V, P3=X7R, SIZE=0603, Supplier 1=Digi-Key
C19 C21: "CAP, CER, 0.1UF, 50V, 10%, X7R, 0603", MAXTEMP=125C, MFG PART NUM=C0603C104K5RACTU, MINTEMP=-55C, Supplier Part Number 1=399-5089-1-ND, VALENTIUM PART NUM=<VALENTIUM>, CATEGORY="CAP, CER", DATE=7/24/2013, DESC="CAP, CER, 0.1UF, 50V, 10%, X7R, 0603", MFG Name=KEMET, MODIFY DATE=10/23/2013, P1=10%, P2=50V, P3=X7R, SIZE=0603, Supplier 1=Digi-Key
C20 C22: library part CAP_0402_0.033UF_50V, "CAP, CER, 0.033UF, 50V, 10%, X7R, AEC-Q200, 0402", MAXTEMP=85C, MINTEMP=-55C, Supplier Part Number 1=445-12207-1-ND, VALENTIUM PART NUM=<VALENTIUM>, CATEGORY="CAP, CER", DESC="CAP, CER, 0.033UF, 50V, 10%, X7R, AEC-Q200, 0402", MFG Name=TDK, MFG PART NUM=CGA2B3X5R1H333K050BB, MODIFY DATE=10/23/2013, OTHER=AEC-Q200, P1=10%, P2=50V, P3=X7R, SIZE=0402, Supplier 1=Digi-Key
C54 C91: "CAP, CER, 1.0UF, 25V, 10%, X5R, 0805", MAXTEMP=85C, MFG PART NUM=08053D105KAT2A, MINTEMP=-55C, Supplier Part Number 1=478-1409-1-ND, VALENTIUM PART NUM=<VALENTIUM>, CATEGORY="CAP, CER", DATE="4/11/2006 3:37:28 PM", DESC="CAP, CER, 1.0UF, 25V, 10%, X5R, 0805", MFG Name=AVX, MODIFY DATE=10/23/2013, P1=10%, P2=25V, P3=X5R, SIZE=0805, Supplier 1=Digi-Key
C55 C92: library part CAP_0603_10UF_25V, "CAP, CER, 10.UF, 25V, 20%, X5R, AEC-Q200, 0603", MAXTEMP=85C, MINTEMP=-55C, Supplier Part Number 1=490-12323-6-ND, VALENTIUM PART NUM=<VALENTIUM>, CATEGORY="CAP, CER", DATE=7/25/2013, DESC="CAP, CER, 10.UF, 25V, 20%, X5R, AEC-Q200, 0603", MFG Name=MURATA, MFG PART NUM=GRT188R61E106ME13D, MODIFY DATE=10/23/2013, OTHER=AEC-Q200, P1=20%, P2=25V, P3=X5R, SIZE=0603, Supplier 1=Digi-Key
C65 C84: "CAP, CER, 1.0UF, 50V, 10%, X7R, 0805", MAXTEMP=125C, MFG PART NUM=GCM21BR71H105KA03L, MINTEMP=-55C, Supplier Part Number 1=490-10675-1-ND, VALENTIUM PART NUM=<VALENTIUM>, CATEGORY="CAP, CER", DATE="10/31/2006 2:46:38 PM", DESC="CAP, CER, 1.0UF, 50V, 10%, X7R, 0805", MFG Name=MURATA, MODIFY DATE=10/23/2013, OTHER=AEC-Q200, P1=10%, P2=50V, P3=X7R, SIZE=0805, Supplier 1=Digi-Key
C72 C73 C74 C75: "CAP, CER, 22.UF, 16V, 20%, X5R, 0805", MAXTEMP=85C, MFG PART NUM=GRM219R61C226ME15L, MINTEMP=-55C, Supplier Part Number 1=490-9952-1-ND, VALENTIUM PART NUM=<VALENTIUM>, CATEGORY="CAP, CER", DATE="4/11/2006 3:37:28 PM", DESC="CAP, CER, 22.UF, 16V, 20%, X5R, 0805", MFG Name=MURATA, MODIFY DATE=10/23/2013, P1=20%, P2=16V, P3=X5R, SIZE=0805, Supplier 1=Digi-Key
C85 C86: "CAP, CER, 22.PF, 50V, 5%, NPO, 0603", MAXTEMP=125C, MFG PART NUM=C0603C220J5GACTU, MINTEMP=-55C, Supplier Part Number 1=399-1053-1-ND, VALENTIUM PART NUM=<VALENTIUM>, CATEGORY="CAP, CER", DATE=7/25/2013, DESC="CAP, CER, 22.PF, 50V, 5%, NPO, 0603", MFG Name=KEMET, MODIFY DATE=10/23/2013, P1=5%, P2=50V, P3=NP0, SIZE=0603, Supplier 1=Digi-Key
D1 D2 D3: library part DFLZ39, "DIO, ZENER, DFLZ39, 39V, 5%, 1W, SOD123FL", MAXTEMP=150C, MINTEMP=-55C, Supplier Part Number 1=DFLZ39-TPMSDKR-ND, VALENTIUM PART NUM=<VALENTIUM>, CATEGORY="DIO, ZENER", DESC="DIO, ZENER, DFLZ39, 39V, 5%, 1W, SOD123FL", MFG Name="MICRO COMM", MFG PART NUM=DFLZ39-TP, MODIFY DATE=9/4/2013, OTHER=SERIES, P1=39V, P2=5%, P3=1W, SIZE=SOD123FL, Supplier 1=Digi-Key
D4 D9 D10 D11 D12 D13 D14: library part SMTLED_RED_0603_SML, "LED, RED, SML-LX0603, 635NM, 2V, 20MA, 0603", MAXTEMP=85C, MFG PART NUM=SML-LX0603IW-TR, MINTEMP=-25C, Supplier Part Number 1=67-1548-1-ND, VALENTIUM PART NUM=<VALENTIUM>, CATEGORY=LED, DESC="LED, RED, SML-LX0603, 635NM, 2V, 20MA, 0603", MFG Name=LUMEX, MODIFY DATE=9/4/2013, OTHER=SML-LX0603, P1=635NM, P2=2V, P3=20MA, SIZE=0603, Supplier 1=Digi-Key
D5 D6 D7 D8: "DIO, SCHOTTKY, BAT54S, DUAL SERIES, 30V, 200MA, SC-70", MAXTEMP=150C, MFG PART NUM=BAT54SWQ-7-F, MINTEMP=-55C, Supplier Part Number 1=BAT54SWQ-7-FDICT-ND, VALENTIUM PART NUM=<VALENTIUM>, CATEGORY="DIO, SCHOTTKY", DESC="DIO, SCHOTTKY, BAT54S, DUAL SERIES, 30V, 200MA, SC-70", MFG Name="DIODES INC", MODIFY DATE=9/4/2013, OTHER=SERIES, P1=SCHOTTKY, P2=30V, P3=200mA,200mW, SIZE=SC-70, Supplier 1=Digi-Key
D15 D16 D17 D18: "DIO, TVS, SMCJ6.5, 6.5V, BIDIR, 1.5KW, SMC", MAXTEMP=150C, MINTEMP=-55C, Supplier Part Number 1=SMCJ6.5CALFCT-ND, VALENTIUM PART NUM=<VALENTIUM>, CATEGORY="DIO, TVS", DESC="DIO, TVS, SMCJ6.5, 6.5V, BIDIR, 1.5KW, SMC", MFG Name=LITTELFUSE, MFG PART NUM=SMCJ6.5CA, MODIFY DATE=9/4/2013, OTHER=SMCJ, P1=6.5V, P2=BIDIR, P3=1.5KW, SIZE=SMC, Supplier 1=Digi-Key
F1: "FUSE SLOW 2.00A 32V M 0603", MAXTEMP=105C, MFG PART NUM=SF-0603S200-2, MINTEMP=-40C, Supplier Part Number 1=SF-0603S200-2CT-ND, VALENTIUM PART NUM=<VALENTIUM>, CATEGORY=FUSE, DATE="20 OCT 15", DESC="FUSE SLOW 1.25A 32V M 0603", MFG Name=BOURNS, MODIFY DATE=9/4/2013, OTHER="UL E141069", P1="SLOW BLO", P2=32V, P3=M, SIZE=0603, Supplier 1=Digi-Key
FB2 FB3: "FER, 220 OHM, 100MHZ, 2.2A, 0.05OHM DC, MPZ1608, 0603", MAXTEMP=125C, MFG PART NUM=MPZ1608S221ATA00, MINTEMP=-55C, Supplier Part Number 1=445-1565-1-ND, VALENTIUM PART NUM=<VALENTIUM>, CATEGORY=FERRITE, DATE=8/6/2013, DESC="FER, 220 OHM, 100MHZ, 2.2A, 0.05OHM DC, MPZ1608, 0603", MFG Name="TDK CORP", MODIFY DATE=9/4/2013, OTHER=MPZ1608, P1=100MHZ, P2=2.2A, P3="0.05 OHM", SIZE=0603, Supplier 1=Digi-Key
IC?: "Integrated Circuit", Manufacturer_Name="Bosch Sensortec", Mouser Part Number=262-BMP388, Arrow Part Number=BMP388, Arrow Price/Stock=https://www.arrow.com/en/products/bmp388/bosch, Datasheet Link=https://ae-bst.resource.bosch.com/media/_tech/media/datasheets/BST-BMP388-DS001-01.pdf, Height=0mm, Manufacturer_Part_Number=BMP388, Mouser Price/Stock=https://www.mouser.co.uk/ProductDetail/Bosch-Sensortec/BMP388?qs=rrS6PyfT74eIcD5Rv1Kf7A%3D%3D
J1: "CONN, JACK, PJ-002A, 2.1X5.5MM, 24V 2.5A, R/A TH, SPST-NC", MAXTEMP=85C, MINTEMP=-25C, Supplier Part Number 1=CP-002A-ND, VALENTIUM PART NUM=<VALENTIUM>, CATEGORY="CONN, JACK", DESC="CONN, JACK, PJ-002A, 2.1X5.5MM, 24V 2.5A, R/A TH, SPST-NC", MFG Name="CUI DEVICES", MFG PART NUM=PJ-002A, OTHER=SPST-NC, P1=2.1X5.5MM, P2=24V, P3=2.5A, SIZE="R/A TH", Supplier 1=Digi-Key
J2: "CONN, HDR, 2X3, R/A, 4.2MM, TH, MINI-FIT JR", MAXTEMP=105C, MFG PART NUM=105314-1206, MINTEMP=-40C, Supplier Part Number 1=WM14977-ND, VALENTIUM PART NUM=<VALENTIUM>, CATEGORY="CONN, HDR", DESC="CONN, HDR, 2X3, R/A, 2.5MM, TH, NANO-FIT", MFG Name=MOLEX, MODIFY DATE=10/10/2013, OTHER=NANO-FIT, P1=R/A, P2=2.5MM, SIZE=TH, Supplier 1=Digi-Key
J3: "CONN, REC, USB, R/A, MINI, TYPE B, 5 POS, SMT W/BRD GUIDE", MAXTEMP=C, MFG PART NUM=1734035-2, Supplier Part Number 1=A31727CT-ND, VALENTIUM PART NUM=<VALENTIUM>, CATEGORY="CONN, REC", DESC="CONN, REC, USB, R/A, MINI, TYPE B, 5 POS, SMT W/BRD GUIDE", MFG Name="TE CONNECTIVITY/AMP", MINTEMP=C, MODIFY DATE=10/10/2013, OTHER=USB, P1=R/A, P2="5 POS", P3="USB MINI B", SIZE=SMT, Supplier 1=Digi-Key
J4: library part USB_B_473461001, "CONN, REC, USB, R/A, MICRO, TYPE B, 5 POS, SMT FLANGELESS", MAXTEMP=85C, MINTEMP=-30C, Supplier Part Number 1=WM11228CT-ND, VALENTIUM PART NUM=<VALENTIUM>, CATEGORY="CONN, REC", DESC="CONN, REC, USB, R/A, MICRO, TYPE B, 5 POS, SMT FLANGELESS", MFG Name=MOLEX, MFG PART NUM=473461001, MODIFY DATE=10/10/2013, OTHER=FLANGELESS, P1=R/A, P2="5 POS", P3="USB MICRO B", SIZE=SMT, Supplier 1=Digi-Key
JP1 JP2: "CONN, HDR, 1X3, VERT, .1, JUMPER, TH", MAXTEMP=C, MFG PART NUM=TSW-103-08-G-S, Supplier Part Number 1=SAM1038-02-ND, VALENTIUM PART NUM=<VALENTIUM>, CATEGORY="CONN, HDR", DESC="CONN, HDR, 1X3, VERT, .1, JUMPER, TH", MFG Name=SAMTEC, MINTEMP=C, MODIFY DATE=10/10/2013, OTHER=TSW-1XX, P1=VERT, P2=.1, P3=FEATURE, SIZE=TH, Supplier 1=Digi-Key
L1 L2: "IND, PWR, 10.uH, 20%, 4A, 0.04DCR, 12.5X12.5MM, SHLD", MAXTEMP=125C, MINTEMP=-40C, Supplier Part Number 1=PM124SH-100M-RCCT-ND, VALENTIUM PART NUM=<VALENTIUM>, CATEGORY="IND, PWR", DATE=10/23/2013, DESC="IND, PWR, 10.uH, 20%, 4A, 0.04DCR, 12.5X12.5MM, SHLD", MFG Name=BOURNS, MFG PART NUM=PM124SH-100M-RC, MODIFY DATE=10/23/2013, OTHER=SHLD, P1=20%, P2=4A, P3=36mOhm, SIZE=12.5X12.5MM, Supplier 1=Digi-Key
P1: library part ALINX_FPGA, MAXTEMP=C, MFG PART NUM=AXK680337YG, VALENTIUM PART NUM=<VALENTIUM>, CATEGORY="MOD, FPGA", DESC="CONN, HDR, 2X40, VERT, .05, ALIGN, SMT, TFM-1XX", MFG Name=Panasonic, MINTEMP=C, MODIFY DATE=10/10/2013, P1=VERT, P2=.05, P3="ALIGN, LOCK", SIZE=SMT
P2: "PCIE x4 Edge Connector,OrCAD Symbol,NC", Manufacturer=NA, Part Number=451, NOTE=NC, Part Type=SMT, Vendor P/N=NA
R1 R28 R29 R30 R31: library part RES_0603_200, "RES, 200 OHM, 1%, 1/10W, TF, 0603", MAXTEMP=125C, MINTEMP=-55C, Supplier Part Number 1=P200HCT-ND, VELENTIUM PART NUM=<VELENTIUM>, CATEGORY=RES, DATE=7/26/2013, DESC="RES, 200 OHM, 1%, 1/10W, TF, 0603", MFG Name=PANASONIC, MFG PART NUM=ERJ-3EKF2000V, ModifyDate=7/25/2013, OTHER=100PPM, P1=1%, P2=1/10W, P3=TF, SIZE=0603, SUB=GENERIC, Supplier 1=Digi-Key
R2 R3 R4: library part RES_0603_47K, "RES, 47K, 1%, 1/10W, TF, 0603", MAXTEMP=125C, MINTEMP=-55C, Supplier Part Number 1=P47.0KHCT-ND, VELENTIUM PART NUM=<VELENTIUM>, CATEGORY=RES, DATE=1/22/2014, DESC="RES, 47K, 1%, 1/10W, TF, 0603", MFG Name=PANASONIC, MFG PART NUM=ERJ-3EKF4702V, ModifyDate=1/22/2014, OTHER=100PPM, P1=1%, P2=1/10W, P3=TF, SIZE=0603, SUB=GENERIC, Supplier 1=Digi-Key
R5: library part RES_0603_26.1K, "RES, 26.1K, 1%, 1/10W, TF, 0603", MAXTEMP=125C, MINTEMP=-55C, Supplier Part Number 1=P26.1KHCT-ND, VELENTIUM PART NUM=<VELENTIUM>, CATEGORY=RES, DATE=7/26/2013, DESC="RES, 27.1K, 1%, 1/10W, TF, 0603", MFG Name=PANASONIC, MFG PART NUM=ERJ-3EKF2612V, ModifyDate=7/25/2013, OTHER=100PPM, P1=1%, P2=1/10W, P3=TF, SIZE=0603, SUB=GENERIC, Supplier 1=Digi-Key
R6 R7 R27 R32 R33 R42 R43: library part RES_0603_10K, "RES, 10K, 1%, 1/10W, TF, 0603", MAXTEMP=125C, MINTEMP=-55C, Supplier Part Number 1=P10.0KHCT-ND, VELENTIUM PART NUM=<VELENTIUM>, CATEGORY=RES, DATE=7/26/2013, DESC="RES, 10K, 1%, 1/10W, TF, 0603", MFG Name=PANASONIC, MFG PART NUM=ERJ-3EKF1002V, ModifyDate=7/25/2013, OTHER=100PPM, P1=1%, P2=1/10W, P3=TF, SIZE=0603, SUB=GENERIC, Supplier 1=Digi-Key
R8 R9: library part RES_0603_2.2K, "RES, 2.2K, 1%, 1/10W, TF, 0603", MAXTEMP=125C, MINTEMP=-55C, Supplier Part Number 1=P2.20KHCT-ND, VELENTIUM PART NUM=<VELENTIUM>, CATEGORY=RES, DATE=8/15/2013, DESC="RES, 2.2K, 1%, 1/10W, TF, 0603", MFG Name=PANASONIC, MFG PART NUM=ERJ-3EKF2201V, ModifyDate=8/15/2013, OTHER=100PPM, P1=1%, P2=1/10W, P3=TF, SIZE=0603, SUB=GENERIC, Supplier 1=Digi-Key
R10 R11 R12 R13 R14 R15 R16 R17 R36: library part Res3, "Resistor", LatestRevisionDate=29-May-2009, LatestRevisionNote="IPC-7351 Footprint Added.", PackageDescription="Chip Resistor", PackageReference=J1-0603, Published=8-Jun-2000, Publisher="Altium Limited"
R18 R19 R20 R21: library part RES_0805_33, "RES, 33 OHM, 1%, 1/8W, TF, 0805", MAXTEMP=125C, MINTEMP=-55C, Supplier Part Number 1=541-33.0CCT-ND, VELENTIUM PART NUM=<VELENTIUM>, CATEGORY=RES, DESC="RES, 33 OHM, 1%, 1/8W, TF, 0805", MFG Name=VISHAY/DALE, MFG PART NUM=CRCW080533R0FKEA, ModifyDate=7/26/2013, OTHER=100PPM, P1=1%, P2=1/8W, P3=TF, SIZE=0805, Supplier 1=Digi-Key
R22: library part RES_0603_4.7K, "RES, 4.7K, 1%, 1/10W, TF, 0603", MAXTEMP=125C, MINTEMP=-55C, Supplier Part Number 1=P4.70KHCT-ND, VELENTIUM PART NUM=<VELENTIUM>, CATEGORY=RES, DATE=7/26/2013, DESC="RES, 4.7K, 1%, 1/10W, TF, 0603", MFG Name=PANASONIC, MFG PART NUM=ERJ-3EKF4701V, ModifyDate=7/25/2013, OTHER=100PPM, P1=1%, P2=1/10W, P3=TF, SIZE=0603, SUB=GENERIC, Supplier 1=Digi-Key
R23 R24: library part RES_0402_0, "RES, 0. OHM, 1%, 1/16W, TF, AEC-Q200, 0402", MAXTEMP=155C, MINTEMP=-55C, Supplier Part Number 1=P0.0JCT-ND, VELENTIUM PART NUM=<VELENTIUM>, CATEGORY=RES, DATE=7/26/2013, DESC="RES, 0 OHM, 1%, 1/16W, TF, AEC-Q200, 0402", MFG Name=PANASONIC, MFG PART NUM=ERJ-2GE0R00X, ModifyDate=7/25/2013, OTHER="100PPM, AEC-Q200", P1=1%, P2=1/16W, P3=TF, SIZE=0402, SUB=GENERIC, Supplier 1=Digi-Key
R25 R26: library part RES_0402_499, "RES, 499. OHM, 1%, 1/16W, TF, AEC-Q200, 0402", MAXTEMP=155C, MINTEMP=-55C, Supplier Part Number 1=P499LCT-ND, VELENTIUM PART NUM=<VELENTIUM>, CATEGORY=RES, DATE=7/26/2013, DESC="RES, 499. OHM, 1%, 1/16W, TF, AEC-Q200, 0402", MFG Name=PANASONIC, MFG PART NUM=ERJ-2RKF4990X, ModifyDate=7/25/2013, OTHER="100PPM, AEC-Q200", P1=1%, P2=1/16W, P3=TF, SIZE=0402, SUB=GENERIC, Supplier 1=Digi-Key
R34 R35: library part RES_0603_1.0K, "RES, 1.0K, 1%, 1/10W, TF, 0603", MAXTEMP=125C, MINTEMP=-55C, Supplier Part Number 1=P1.00KHCT-ND, VELENTIUM PART NUM=<VELENTIUM>, CATEGORY=RES, DATE=7/26/2013, DESC="RES, 1.0K, 1%, 1/10W, TF, 0603", MFG Name=PANASONIC, MFG PART NUM=ERJ-3EKF1001V, ModifyDate=7/25/2013, OTHER=100PPM, P1=1%, P2=1/10W, P3=TF, SIZE=0603, SUB=GENERIC, Supplier 1=Digi-Key
S5 S6: "SW, SPST-NO, TACT, 12V, 50MA, 3X2.5MM SMT, B3U SERIES", MAXTEMP=70C, MINTEMP=-25C, Supplier Part Number 1=SW1020CT-ND, VALENTIUM PART NUM=<VALENTIUM>, CATEGORY=SW, DESC="SW, SPST-NO, TACT, 12V, 50MA, 3X2.5MM SMT, B3U SERIES", MFG Name=OMRON, MFG PART NUM=B3U-1000P, MODIFY DATE=9/5/2013, OTHER="B3U SERIES", P1=12V, P2=50mA, P3=TACT, SIZE=3X2.5MM, Supplier 1=Digi-Key
SW1: "SW, SPST, 250V, 2A, SLIDE, ON-OFF, TH", MAXTEMP=85C, MINTEMP=-25C, Supplier Part Number 1=CKC5106-ND, VALENTIUM PART NUM=<VALENTIUM>, CATEGORY=SW, DATE=9/5/2013, DESC="SW, SPST, 250V, 2A, SLIDE, ON-OFF, TH", MFG Name=C&K, MFG PART NUM=L101011MS02Q, MODIFY DATE=1/21/2014, OTHER=L101011MS02Q, P1=250V, P2=2A, P3="SW, SPST, 250V, 2A, SLIDE, ON-OFF, TH", SIZE=19.1X10.79MM, Supplier 1=Digi-Key
U1 U2: library part MP1482DS, "IC, DC/DC, MP1482DS, >4.75VIN, 0.923-15V OUT, SOIC8", MAXTEMP=+85C, MINTEMP=-40C, Supplier Part Number 1=1589-1524-1-ND, VELENTIUM PART NUM="<V PART NUM>", CATEGORY="IC, DC/DC", DESC="IC, DC/DC, MP1482DS, >4.75VIN, 0.923-15V OUT, SOIC8", MFG Name=MPS, MFG PART NUM=MP1482DS-LF, MODIFY DATE="12/27/2005 8:34:25 AM", OTHER="additional spec", P1=">4.75V IN", P2="0.923-15V OUT", P3=W, SIZE=8SOIC, Supplier 1=Digi-Key
U3: library part CMP-0254-00293-1, "Extremely Accurate I2C-Integrated Real-Time Clock/TCXO/Crystal, 16-Pin SO, -40 to 85 degC", Code_IPC=SOIC127P1030-16, Code_JEDEC=MS-013-AA, ComponentLink1Description="Manufacturer URL", ComponentLink1URL=http://www.maxim-ic.com, ComponentLink2Description=Datasheet, ComponentLink2URL=http://datasheets.maxim-ic.com/en/ds/DS3231.pdf, ComponentLink3Description="Package Specification", ComponentLink3URL=http://pdfserv.maxim-ic.com/package_dwgs/21-0042.PDF, DatasheetVersion="Rev 8, Jul-2010", PackageDescription="16-Pin Small-Outline IC, Wide (0.3in), 1.27 mm Pitch, SOIC (W)", PackageReference=W16-H2, PackageVersion="revD, 2010"
U5: library part SAMTEC-HTSH-105-01-L-DV, "CONN, HDR, 2X5, VERT, 0.1IN  SHROUDED, SMT, HTSH SERIES", MAXTEMP=125C, MINTEMP=-55C, Supplier Part Number 1=SAM8809-ND, VALENTIUM PART NUM=<VALENTIUM>, CATEGORY="CONN, HDR", DESC="CONN, HDR, 2X5, VERT, 0.1IN  SHROUDED, SMT, HTSH SERIES", MFG Name="SAMTEC INC", MFG PART NUM=HTST-105-01-L-DV-A, MODIFY DATE=10/10/2013, OTHER="HTSH SERIES", P1=VERT, P2="0.1 IN", P3=SHROUDED, SIZE=SMT, Supplier 1=Digi-Key
U6 U16: "IC, TCVR, FT230, USB TO UART, 5V, FTDI, 16SSOP", MAXTEMP=85C, MINTEMP=-40C, Supplier Part Number 1=768-1135-1-ND, VELENTIUM PART NUM="<V PART NUM>", CATEGORY="IC, TCVR", DESC="IC, TCVR, FT230, USB TO UART, 5V, FTDI, 16SSOP", MFG Name=FTDI, MFG PART NUM=FT230XS-R, MODIFY DATE=8/14/2013, P1="USB TO UART", P2=5V, P3=FTDI, SIZE=20SSOP, Supplier 1=Digi-Key
U8: "MOD, IMU, 5.2X3.8, SMT", MAXTEMP=+85C, MINTEMP=-40C, Supplier Part Number 1=1888-1000-1-ND, VELENTIUM PART NUM="<V PART NUM>", CATEGORY=MOD, DESC="MOD, IMU, 5.2X3.8, SMT", MFG Name=HILLCREST, MFG PART NUM=BNO080, MODIFY DATE=10/21/2013, OTHER=IMU, SIZE=5.2X3.8, Supplier 1=Digi-Key
U9 U14: "MOD, GPS", MAXTEMP=80C, MINTEMP=-40C, Supplier Part Number 1=672-RCB-F9T-ND, VELENTIUM PART NUM="<V PART NUM>", CATEGORY=MOD, DESC="MOD BLE 4.2", MFG Name=UBLOCKS, MFG PART NUM=RCB-F9T, MODIFY DATE=9/11/13, P1=GPS, Supplier 1=Digi-Key
U10: "MOD, MAC, MAC-SA5X, ATOMIC CLOCK", MAXTEMP=85C, MINTEMP=-40C, VELENTIUM PART NUM="<V PART NUM>", CATEGORY=MOD, DESC="MOD, MAC, MAC-SA5X, ATOMIC CLOCK", MFG Name=MICROCHIP, MFG PART NUM=MAC-SA5X, MODIFY DATE="3/22/2006 1:36:44 PM", OTHER=AEC-Q200, P1="ATOMIC CLOCK"
U10AL: library part CMP-2000-07612-1, "Quantum(TM) Miniature Chip Scale Atomic Clock, 3.3 V, 10 MHz, -10 to 70 degC, 9-Pin THD, RoHS, Bulk", Manufacturer=Microsemi, Package Description="9-Pin Through Hole Device, Body 40.64 x 35.306 mm", Package Reference=090-02984-00X, Datasheet URL=https://media.digikey.com/pdf/Data%20Sheets/Microsemi%20PDFs/090-02984-001.pdf, Datasheet Version=03/2017, Manufacturer URL=http://www.microsemi.com/, Mounting Technology=ThroughHole
U11: "OSC, 10MHZ, 3.3V, 5PPB, DCOCXO, SMT", MAXTEMP=85C, MINTEMP=-30C, VELENTIUM PART NUM="<V PART NUM>", CATEGORY=OSC, DATE=9/18/2013, DESC="OSC, 10MHZ, 3.3V, 5PPB, DCOCXO, SMT", MFG Name=SITIME, MFG PART NUM=SiT5721AI-KWA33-T-10.000000, MODIFY DATE=9/18/2013, P1=OSC, P2=3.3V, P3=5PPB, SIZE=9.0X7.0MM
U13: "OSC, 10MHZ, 3.3V, 100PPB, DCTCXO, SMT", MAXTEMP=85C, MINTEMP=-30C, VELENTIUM PART NUM="<V PART NUM>", CATEGORY=OSC, DATE=9/18/2013, DESC="OSC, 10MHZ, 3.3V, 100PPB, DCTCXO, SMT", MFG Name=SITIME, MFG PART NUM=SiT5356AI-FQA33-IT-10.000000, MODIFY DATE=9/18/2013, P1=OSC, P2=3.3V, P3=100PPB, SIZE=5.0X3.2MM
X1: "XTAL, 32.768KHZ, 6PF LOAD CAP, SMD, ROHS", MAXTEMP=85C, MFG PART NUM="MC-306 32.768K-E3:ROHS", MINTEMP=-40C, Supplier Part Number 1=SER2417CT-ND, VALENTIUM PART NUM=<VALENTIUM>, CATEGORY=XTAL, DESC="XTAL, <VAL>, P1, P2, P3, EIA, OTHER", MFG Name="ABRACON CORPORATION", MODIFY DATE=9/5/2013, OTHER="MC306, 3.8X8.00X2.54MM", P1=6PF, P2=20PPM, P3=FUNDAMENTAL, SIZE=4-SOJ, Supplier 1=Digi-Key

## Free pads (board coordinates)
  round 250 hole 125.2 unplated: MH1(285.43,368.11) MH2(285.43,4152.06)

## Via types
v1: diameter 16, hole 8, TOP to BOTTOM, 426 vias
v2: diameter 200, hole 125.98, TOP to BOTTOM, 4 vias

## Nets (pads, with @x,y where several pads share a name; then routed paths per layer and width w, separated by ;. In a path a pad name is that pad's centre, name@x,y a point inside that pad or via, vN(x,y) a via of type N, cw(c..) or ccw(c..) an arc to the next point about the centre after c; other vN are vias at no path point)
5721_STATUS: P1.2-64 U11.2 | length 1965
  TOP w8: v1(2821.84,2601.06) 2823.21,2599.69 P1.2-64@2823.21,2518.25 ; U11.2@3510.28,3395.2 3518.72,3403.64 3518.72,3437.94 3566.84,3486.06 v1(3622.84,3486.06)
  IN1 w8: v1(2821.84,2601.06) 3566.56,2601.06 3571.56,2606.06 3604.84,2606.06 v1(3623.84,2587.06)
  IN2 w8: v1(3622.84,3486.06) 3622.84,2588.06 v1(3623.84,2587.06)